# Altium PCB LoRaBoard.PcbDoc (part 2 of 2)
Units mm, origin at the board's own origin, x right, y up, seen from the top; angles counter-clockwise.
Board outline 96 x 92 mm, 2 copper layers (Top Layer, Bottom Layer), stack 1.56 mm thick; 150 components, 127 nets, 535 pads, 612 vias.
Unrouted connection lines stored in the file: 48.
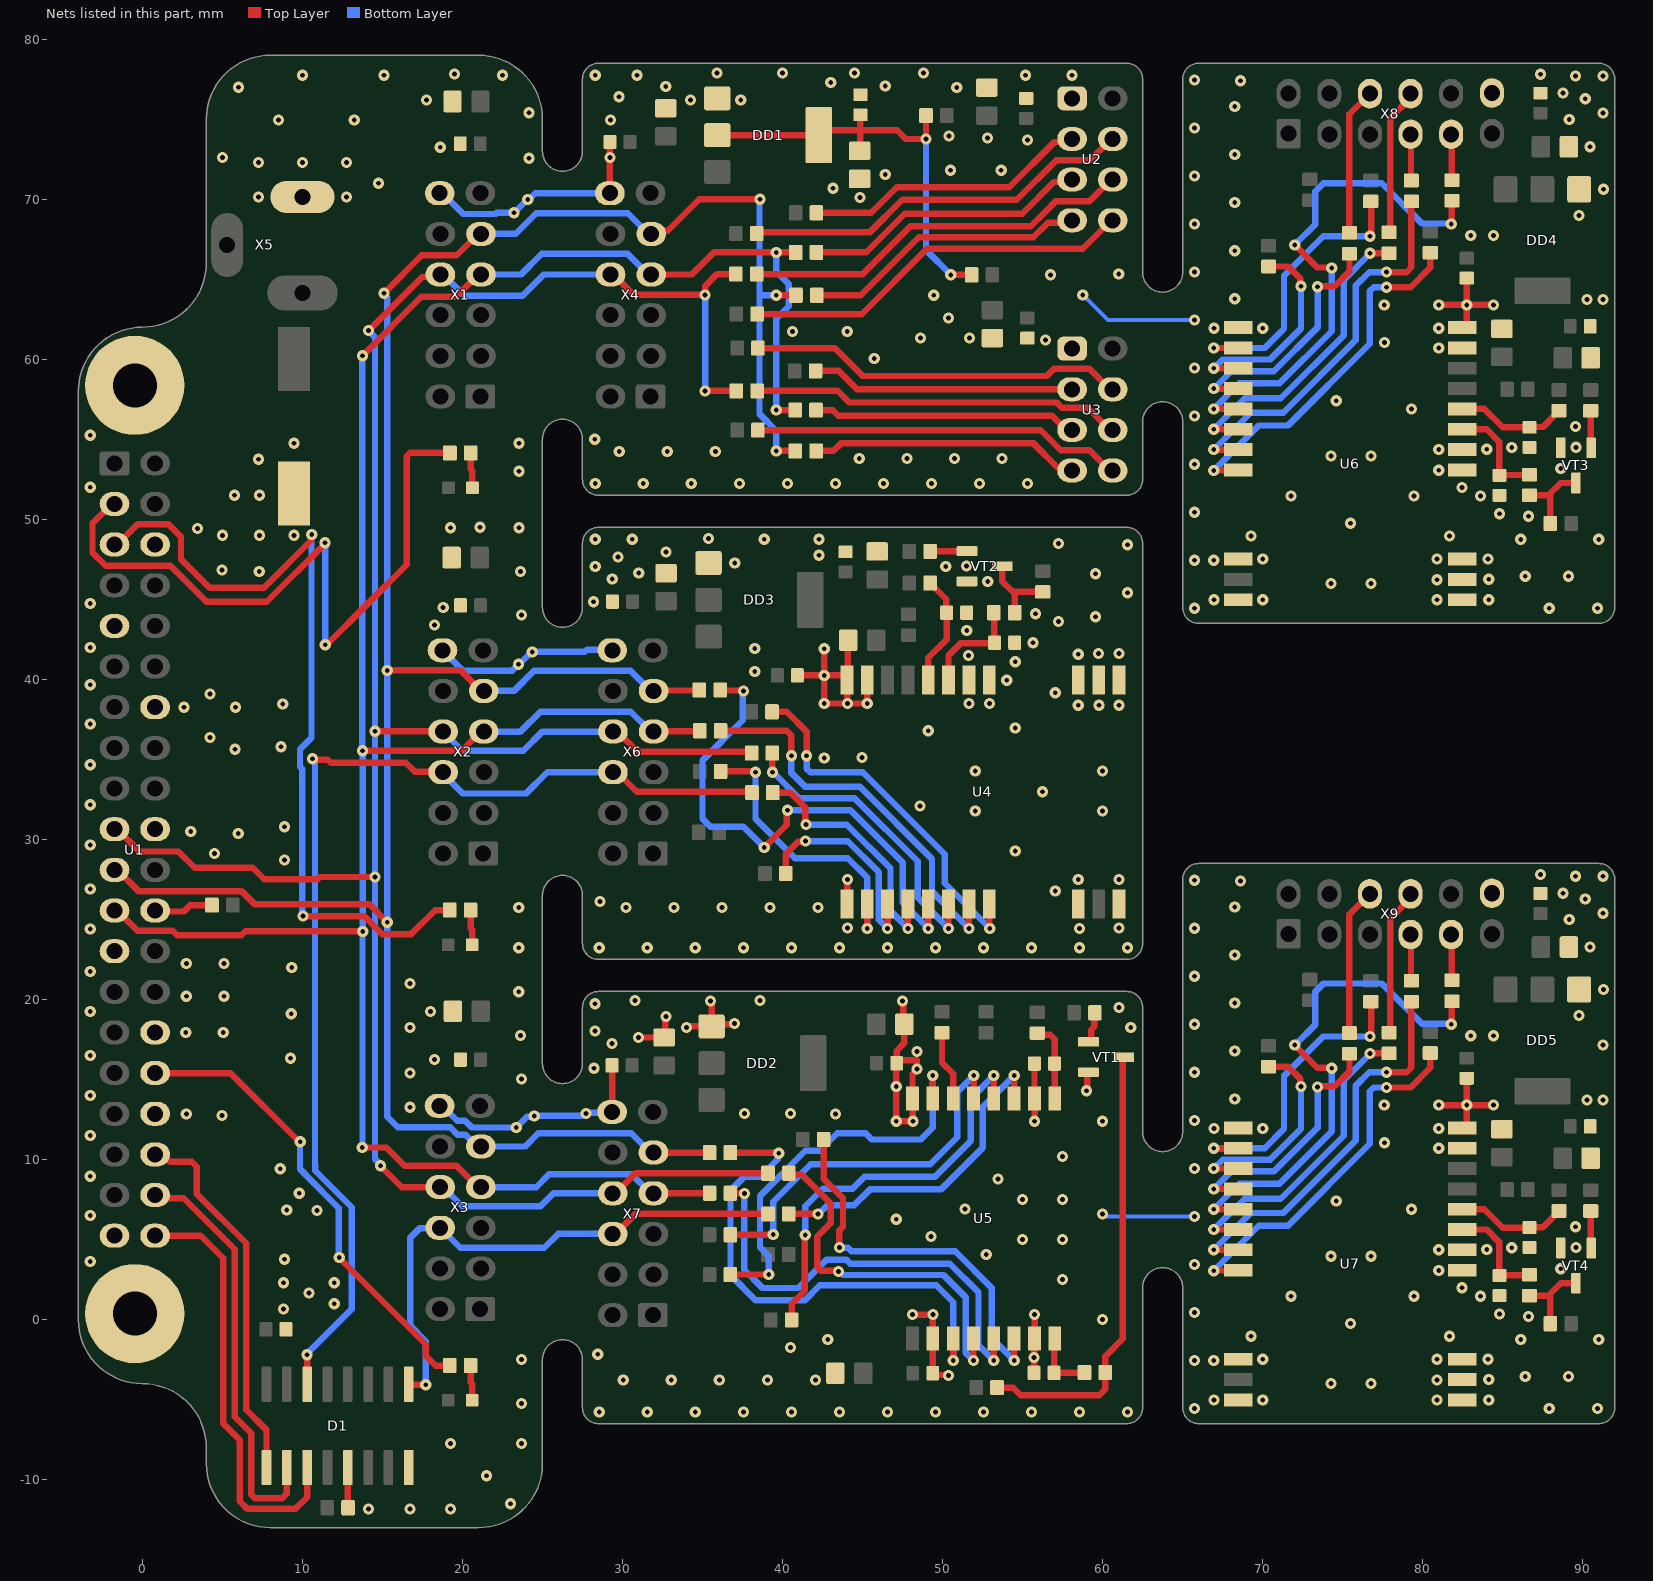
[diagram p2: the nets of this part, all layers, seen from the top]

## Via types
v1: diameter 0.7, hole 0.3, Top Layer to Bottom Layer, tented both sides, 612 vias

## Nets (pads, with @x,y where several pads share a name; then routed paths per layer and width w, separated by ;. In a path a pad name is that pad's centre, name@x,y a point inside that pad or via, vN(x,y) a via of type N, cw(c..) or ccw(c..) an arc to the next point about the centre after c; other vN are vias at no path point) (continued)
GND: C1.1 C2.1 C3.1 C4.1 C5.1 C6.1 C7.1 C8.1 C9.1 C10.1 C11.1 C12.1 C13.2 C14.1 C15.1 C16.1 C17.1 C18.2 C19.1 C20.2 C21.1 C22.1 C23.1 C24.1 C25.1 C26.1 C27.1 C28.1 C29.1 C30.1 C31.1 C32.1 C33.1 C34.1 C35.2 C36.2 C37.1 C38.1 C39.1 C40.1 C41.1 C42.1 C43.1 C44.1 C45.1 C46.1 C47.1 C48.1 D1.5 D1.8 DD1.1 DD2.1 DD3.1 DD4.1 DD5.1 R19.2 U1.6 U1.9 U1.14 U1.20 U1.25 U1.30 U1.34 U1.39 U1.S1 U1.S2 U2.1 U3.1 U4.1 U4.2 U4.3 U4.4 U4.5 U4.10 U4.11 U4.12 U4.20 U4.22 U5.2 U5.7 U5.10 U5.16 U6.1 U6.2 U6.3 U6.4 U6.5 U6.10 U6.11 U6.12 U6.20 U6.22 U7.1 U7.2 U7.3 U7.4 U7.5 U7.10 U7.11 U7.12 U7.20 U7.22 VT1.2 VT2.2 VT3.2 VT4.2 X1.12 X2.12 X3.12 X4.12 X5.2 X6.12 X7.12 X8.12 X9.12 | length 122.6
  Top Layer w0.4: R19.2@12.8,-11.6 12.844,-11.556 12.844,-9.249 D1.5@12.837,-9.242 ; X4.12@29.213,70.376 v1(29.213,72.6) C8.1@29.213,73.576 ; X7.12@29.351,12.973 C23.1@29.351,15.883 ; v1(31,17.631) 31.003,17.628 32.597,17.628 C24.1@32.6,17.625 32.673,17.698 32.673,18.9 v1(32.711,18.938) ; v1(34,18.25) 34.054,18.25 34.127,18.323 DD2.1@35.568,18.323 ; v1(35.5,19.908) 35.5,19.854 35.568,19.786 DD2.1@35.568,18.323 ; v1(37,18.5) 36.962,18.462 35.707,18.462 DD2.1@35.568,18.323 ; C31.1@40.927,40.25 v1(42.601,40.25) ; v1(42.601,41.912) v1(42.601,40.25) ; U4.12@44.022,25.969 44.044,25.991 44.044,27.478 v1(44.066,27.5) ; C28.1@44.102,42.444 44.062,42.404 44.062,40.009 U4.11@44.022,39.969 ; U4.10@45.292,39.969 v1(45.292,38.494) v1(44.066,38.494) ; v1(47.5,19.908) 47.538,19.87 47.538,18.525 C22.1@47.605,18.458 47.605,17.283 47.13,16.807 C25.1@47.13,16.053 ; v1(48.118,0.311) v1(49.394,0.311) 49.393,0.31 49.393,-1.175 U5.2@49.391,-1.177 C26.1@49.391,-3.352 49.501,-3.462 50.334,-3.462 v1(50.372,-3.5) ; C17.1@55.717,-3.326 v1(55.717,-2.362) 55.729,-2.35 55.729,-1.189 U5.7@55.741,-1.177 55.745,-1.172 55.745,0.307 v1(55.75,0.311) ; C18.2@55.741,15.998 U5.10@55.741,13.823 55.745,13.819 55.745,12.403 v1(55.75,12.398) ; v1(59,14.297) 59.038,14.336 59.038,15.398 59.088,15.448 VT1.2@59.116,15.448 ; v1(80.994,13.4) v1(82.75,13.4) ; v1(80.994,63.399) v1(82.75,63.399) ; U7.11@82.447,11.956 U7.11@82.469,11.978 ; U6.11@82.447,61.956 U6.11@82.469,61.978 ; U7.11@82.75,12.128 v1(82.75,13.4) ; C48.1@82.75,15.073 v1(82.75,13.4) ; U6.11@82.75,62.128 v1(82.75,63.399) ; C43.1@82.75,65.073 v1(82.75,63.399) ; v1(84.411,13.4) v1(82.75,13.4) ; v1(84.411,63.399) v1(82.75,63.399) ; C38.1@84.904,11.938 C38.1@84.944,11.898 ; C39.1@84.904,61.938 C39.1@84.944,61.898 ; v1(42.601,40.25) 43.872,40.25 44.022,40.1 U4.11@44.022,39.969 ; v1(42.601,40.25) v1(42.601,38.494) v1(44.066,38.494) ; U4.11@44.022,39.969 44.044,39.947 44.044,38.516 v1(44.066,38.494) ; C25.1@47.13,16.053 47.28,16.203 48.402,16.203 v1(48.402,15.656) 48.402,15.602 48.118,15.318 48.118,13.827 U5.16@48.121,13.823 48.136,13.808 48.136,12.414 v1(48.152,12.398) v1(47.102,12.398) v1(47.102,14.564) 47.116,14.578 47.116,16.009 C25.1@47.13,16.023 C25.1@47.13,16.053
  Bottom Layer w0.25: v1(58.759,64.021) 60.332,62.448 v1(65.734,62.448) ; v1(60,6.605) 60.122,6.605 60.278,6.448 v1(65.734,6.448)
  Bottom Layer w0.4: X3.12@18.57,13.357 18.745,13.357 19.67,12.432 20.164,12.432 20.596,12 23.365,12 24.033,12.668 24.433,12.668 v1(24.49,12.725) 27.482,12.725 27.686,12.929 29.307,12.929 X7.12@29.351,12.973 ; X1.12@18.58,70.376 18.755,70.376 20.055,69.076 22.077,69.076 22.153,69.151 23.275,69.151 23.275,69.192 24.075,69.993 24.163,69.993 24.547,70.376 X4.12@29.213,70.376 ; X2.12@18.755,41.819 18.755,41.808 20.011,40.552 23.12,40.552 v1(23.51,40.942) 23.546,40.942 24.323,41.719 27.642,41.719 27.784,41.861 27.865,41.861 27.886,41.84 29.341,41.84 X6.12@29.362,41.819
  other v1: 14.132,-11.828 16.728,-11.828 19.25,-11.828 23,-11.5 21.5,-9.75 19.25,-7.75 23.692,-7.75 28.552,-5.766 31.552,-5.766 34.552,-5.766 37.552,-5.766 40.552,-5.766 43.552,-5.766 46.552,-5.766 49.552,-5.766 52.552,-5.766 55.552,-5.766 58.552,-5.766 61.552,-5.766 65.734,-5.552 87.91,-5.552 90.91,-5.552 23.692,-5.25 66.964,-5.022 70,-5.022 80.882,-5.022 84.118,-5.022 74.272,-4 76.772,-4 30.052,-3.766 33.052,-3.766 36.052,-3.766 39.052,-3.766 42.052,-3.766 80.882,-3.777 84.118,-3.744 86.41,-3.552 89.1,-3.552 65.734,-2.552 66.944,-2.552 23.692,-2.5 70,-2.482 80.882,-2.482 84.076,-2.482 28.46,-2.161 40.491,-1.744 42.823,-1.25 86.125,-1.25 91,-1.25 69.272,-1.038 81.67,-1.038 75.484,-0.239 60,0 86.601,0.198 84.794,0.354 65.734,0.448 8.818,0.657 11.989,0.996 71.772,1.462 79.463,1.462 83.603,1.462 10.406,1.657 82.447,1.99 8.818,2.3 11.989,2.3 57.5,2.5 80.994,3.068 88.619,3.178 65.734,3.448 -3.25,3.626 8.889,3.765 74.272,3.962 76.772,3.962 52.728,4.063 80.994,4.358 83.994,4.382 85.559,4.486 89.579,4.498 55,5 57.5,5 49.281,5.2 89.55,5.806 47.105,6.268 -3.25,6.5 10.921,6.822 9.027,6.854 79.289,6.893 51.398,6.919 74.599,7.413 55,7.5 57.5,7.5 9.801,7.893 53.468,8.789 -3.25,8.953 8.623,9.427 65.734,9.448 57.5,10.191 80.994,10.708 77.618,11.044 -3.25,11.5 66.964,11.934 70,11.934 80.994,11.934 23.357,12 60,12.398 65.734,12.448 4.986,12.76 2.75,12.851 43.3,12.851 37.616,12.873 40.497,12.873 27.723,12.885 16.728,13.273 77.59,13.4 90.262,13.729 91.257,13.729 68.25,13.787 -3.25,14 23.692,15.03 16.728,15.4 65.734,15.448 28.214,15.7 18.25,16.25 9.262,16.335 -3.25,16.5 48.402,16.75 68.25,16.787 91.257,17.148 29.351,17.25 23.627,17.742 83,17.741 84.424,17.741 2.706,17.94 5.054,17.94 28.291,18.031 16.728,18.25 61.75,18.25 65.734,18.448 89.769,18.992 9.31,19.104 -3.25,19.25 18,19.25 61.022,19.5 28.291,19.738 68.25,19.787 30.778,19.937 38.59,19.937 2.75,20.207 5.1,20.207 23.522,20.48 91.294,20.623 16.728,21 65.734,21.448 -3.25,21.75 9.332,22.007 2.75,22.25 5.1,22.25 68.25,22.787 23.522,23.234 28.552,23.234 31.552,23.234 34.552,23.234 37.552,23.234 40.552,23.234 43.552,23.234 46.552,23.234 49.552,23.234 52.552,23.234 55.552,23.234 58.552,23.234 61.552,23.234 90.457,23.278 -3.25,24.412 58.552,24.444 65.734,24.448 44.066,24.464 61.022,24.464 89.15,24.989 91.257,25.387 23.522,25.75 30.213,25.75 33.213,25.75 36.213,25.75 39.213,25.75 42.213,25.75 68.25,25.787 28.591,26.119 90.155,26.282 88.769,26.638 57.039,26.772 -3.25,26.912 68.619,27.409 65.734,27.448 58.482,27.5 61.022,27.5 89.55,27.698 91.257,27.698 87.349,27.806 8.889,28.711 4.517,29.119 54.539,29.272 -3.25,29.662 5.995,30.378 3.019,30.49 8.889,30.79 52.039,31.772 60,31.772 48.587,32.099 -3.25,32.162 56.239,32.984 52.039,34.272 60,34.272 -3.25,34.662 42.601,35.091 44.956,35.119 5.798,35.634 8.658,35.79 4.233,36.362 49.107,36.789 54.539,36.963 -3.25,37.209 2.601,38.26 5.817,38.26 58.482,38.382 59.777,38.382 61.022,38.382 8.779,38.456 51.642,38.494 52.932,38.494 4.233,39.095 57.039,39.17 -3.25,39.662 54.01,39.947 38.259,40.5 54.539,41.103 51.618,41.495 58.482,41.576 59.745,41.618 61.022,41.618 24.359,41.719 38.259,41.924 -3.25,42 55.646,42.294 51.514,43.059 18.25,43.396 57.25,43.625 59.552,43.91 23.698,44.03 55.802,44.102 65.734,44.448 87.91,44.448 90.91,44.448 18.795,44.5 -3.25,44.75 28.194,44.85 66.964,44.978 70,44.978 80.882,44.978 84.118,44.978 61.552,45.41 74.272,46 76.772,46 52.823,46.119 80.882,46.223 84.118,46.255 29.362,46.269 86.41,46.448 89.1,46.448 59.552,46.6 31.011,46.65 7.3,46.734 23.633,46.742 4.975,46.844 28.302,47.05 50.194,47.05 51.502,47.079 37.008,47.269 65.734,47.448 66.944,47.448 70,47.518 80.882,47.518 84.076,47.518 29.718,47.656 42.271,47.763 32.722,47.957 61.552,48.41 57.25,48.5 28.302,48.757 30.613,48.757 38.852,48.757 42.271,48.757 86.125,48.75 91,48.75 35.377,48.794 69.272,48.961 81.67,48.961 5,49 7.318,49 9.483,49 3.438,49.433 19.25,49.48 23.528,49.48 21.094,49.5 75.484,49.761 86.601,50.198 84.794,50.354 65.734,50.448 71.772,51.461 79.463,51.461 83.603,51.461 5.75,51.5 7.318,51.5 82.447,51.99 -3.25,52 28.302,52.234 31.302,52.234 34.302,52.234 37.302,52.234 40.302,52.234 43.302,52.234 46.302,52.234 49.302,52.234 52.302,52.234 55.302,52.234 23.528,53 80.994,53.068 88.619,53.177 65.734,53.448 7.25,53.75 44.797,53.81 47.767,53.81 50.745,53.81 53.706,53.81 74.272,53.961 76.772,53.961 29.802,54.234 32.802,54.234 35.802,54.234 80.994,54.358 83.994,54.382 85.559,54.486 89.579,54.498 9.483,54.75 23.528,54.75 28.269,55 -3.25,55.25 89.55,55.806 65.734,56.448 79.289,56.893 74.599,57.413 65.734,59.448 45.725,60.045 80.994,60.708 77.618,61.044 56.423,61.201 48.623,61.326 51.677,61.327 40.613,61.743 44.044,61.743 66.964,61.934 70,61.934 80.994,61.934 50.372,62.577 77.59,63.399 90.262,63.729 91.257,63.729 68.25,63.787 49.442,64.001 56.735,65.276 61,65.326 65.734,65.448 68.25,66.787 83,67.741 84.424,67.741 65.734,68.448 89.769,68.992 23.227,69.151 68.25,69.787 24.082,69.993 44.843,70.114 7.25,70.143 12.75,70.143 91.294,70.623 43.145,70.689 14.75,71 65.734,71.448 46.411,71.551 50.488,71.816 53.658,71.816 7.25,72.302 10.004,72.302 12.75,72.302 24.163,72.566 5,72.6 68.25,72.787 18.62,73.25 90.457,73.278 55.302,73.7 52.802,73.834 50.406,73.946 65.734,74.448 8.5,74.95 13.241,74.95 29.253,74.95 89.15,74.989 91.257,75.387 24.163,75.408 68.25,75.787 17.75,76.2 34.25,76.2 37.388,76.2 90.155,76.282 29.778,76.4 88.769,76.638 50.88,76.976 6,77 32.7,77.05 46.411,77.082 43.014,77.3 68.619,77.409 65.734,77.448 89.55,77.698 91.257,77.698 10.004,77.75 15.097,77.75 22.5,77.75 28.302,77.75 30.9,77.75 55.185,77.75 58.091,77.75 87.349,77.806 19.5,77.828 35.909,77.895 40,77.895 44.498,77.895 48.813,77.895
LED_1: R7.1 U1.3 | length 44.2
  Top Layer w0.4: U1.3@-1.74,50.96 -1.915,50.96 -3.115,49.76 -3.115,47.923 -2.292,47.1 1.756,47.1 4.006,44.85 7.775,44.85 11.41,48.484 v1(11.41,48.544) ; v1(11.429,42.169) 11.51,42.169 11.66,42.319 11.678,42.319 13.975,44.616 16.515,47.156 16.515,53.924 16.749,54.158 19.205,54.158 R7.1@19.22,54.143
  Bottom Layer w0.4: v1(11.41,48.544) 11.429,48.525 v1(11.429,42.169)
LED_2: R10.1 U1.5 | length 51.4
  Top Layer w0.4: U1.5@-1.74,48.42 -1.565,48.42 -0.281,49.704 1.614,49.704 2.413,48.904 2.413,47.505 4.204,45.715 7.584,45.715 10.532,48.662 10.532,48.987 v1(10.589,49.044) ; v1(10.031,25.212) 13.866,25.212 14.556,24.523 14.556,24.516 14.995,24.077 16.791,24.077 18.3,25.586 R10.1@19.208,25.586
  Bottom Layer w0.4: v1(10.031,25.212) 9.988,25.255 9.988,34.399 9.848,34.539 9.848,35.634 10.568,36.353 10.568,49.023 v1(10.589,49.044)
LED_3: R15.1 U1.32 | length 29.2
  Top Layer w0.4: U1.32@0.8,15.4 5.513,15.4 9.801,11.112 v1(9.867,11.112) ; v1(12.301,3.874) 17.713,-1.538 17.713,-2.262 18.328,-2.877 R15.1@19.21,-2.877
  Bottom Layer w0.4: v1(9.867,11.112) 9.848,11.093 9.848,9.41 10.195,9.064 10.195,9.044 12.277,6.962 12.277,3.899 v1(12.301,3.874)
MISO: R2.2 R9.2 R21.1 R32.2 U1.21 X1.9 X2.9 X3.9 X4.9 X6.9 X7.9 | length 159.7
  Top Layer w0.4: U1.21@-1.74,28.1 -1.565,28.1 -0.24,26.775 6.191,26.775 7.003,25.962 14.17,25.962 v1(15.306,24.827) ; v1(15.097,64.131) 17.462,66.496 19.645,66.496 20.985,67.836 X1.9@21.16,67.836 ; v1(15.306,40.563) 19.876,40.563 21.16,39.279 X2.9@21.335,39.279 ; X3.9@20.975,10.817 X3.9@21.15,10.817 ; X4.9@31.793,67.836 31.984,68.028 32.828,68.028 34.8,70 v1(38.6,70) ; X7.9@31.931,10.433 R21.1@35.441,10.433 ; X6.9@31.942,39.279 31.967,39.304 34.779,39.304 R32.2@34.804,39.329 ; v1(39.613,54.276) R9.2@40.798,54.276 ; v1(39.613,64.001) R2.2@40.838,64.001
  Bottom Layer w0.4: v1(15.097,64.131) 15.097,64.049 15.306,63.84 15.306,40.644 v1@15.444,40.505 ; v1(15.306,24.827) v1(15.306,40.563) ; v1@15.377,24.759 15.306,24.688 15.306,12.668 15.953,12.021 19.232,12.021 19.696,11.557 20.19,11.557 20.93,10.817 23.917,10.817 24.733,11.633 30.556,11.633 31.756,10.433 X7.9@31.931,10.433 ; X1.9@21.16,67.836 23.331,67.836 24.622,69.127 30.327,69.127 31.618,67.836 X4.9@31.793,67.836 ; X2.9@21.335,39.279 23.222,39.279 24.495,40.552 30.494,40.552 31.767,39.279 X6.9@31.942,39.279 ; v1(38.6,70) 38.563,69.963 38.563,64.001 ; v1(39.613,54.276) 39.613,55.531 38.563,56.581 38.563,64.001 ; v1(39.613,64.001) 38.563,64.001
MISO_5: R55.2 X9.9 | length 2.9
  Top Layer w0.4: X9.9@81.779,24.058 81.804,24.033 81.804,21.222 R55.2@81.829,21.197
MISO_6: R54.2 X8.9 | length 2.9
  Top Layer w0.4: X8.9@81.779,74.058 81.804,74.033 81.804,71.221 R54.2@81.829,71.196
MOSI: R4.2 R12.2 R23.1 R31.2 U1.19 X1.8 X2.8 X3.8 X4.8 X6.8 X7.8 | length 156.2
  Top Layer w0.4: U1.19@-1.74,30.64 -1.565,30.64 -0.175,29.25 2.252,29.25 3.269,28.233 6.902,28.233 7.614,27.521 10.968,27.521 11.104,27.657 v1(14.539,27.657) ; v1(14.139,61.796) 17.487,65.144 18.468,65.144 X1.8@18.62,65.296 ; v1(14.539,36.764) 14.552,36.752 18.782,36.752 X2.8@18.795,36.739 ; v1(14.871,9.616) 16.21,8.277 X3.8@18.61,8.277 ; X4.8@29.253,65.296 29.438,65.296 30.713,64.021 v1(35.163,64.021) 35.163,64.58 35.909,65.326 R4.2@37.088,65.326 ; X7.8@29.391,7.893 29.566,7.893 30.816,9.143 R23.1@39.091,9.143 R23.1@39.141,9.143 ; X6.8@29.402,36.739 29.677,36.739 30.947,35.469 37.998,35.469 R31.2@38.068,35.399 ; v1(35.163,58.026) R12.2@37.113,58.026
  Bottom Layer w0.4: v1(14.139,61.796) 14.139,61.769 14.539,61.369 v1(14.539,36.764) 14.539,10.029 14.871,9.697 v1(14.871,9.616) ; X3.8@18.61,8.277 18.785,8.277 19.985,7.077 24.877,7.077 25.693,7.893 X7.8@29.391,7.893 ; X1.8@18.62,65.296 18.795,65.296 20.124,63.967 23.755,63.967 25.084,65.296 X4.8@29.253,65.296 ; X2.8@18.795,36.739 18.795,36.728 19.983,35.539 23.8,35.539 25,36.739 X6.8@29.402,36.739 ; v1(35.163,58.026) v1(35.163,64.021)
MOSI_5: R53.2 X9.8 | length 9.2
  Top Layer w0.4: R53.2@77.899,17.932 77.969,18.002 77.969,25.053 79.239,26.323 X9.8@79.239,26.598
MOSI_6: R52.2 X8.8 | length 9.2
  Top Layer w0.4: R52.2@77.899,67.932 77.969,68.002 77.969,75.053 79.239,76.323 X8.8@79.239,76.598
N\R\S\T\_\3\: D1.14 R33.2 X2.6 X6.6 | length 70.7
  Top Layer w0.4: D1.14@10.297,-4.042 v1(10.297,-2.2) ; v1(10.639,35.042) 10.692,34.989 11.589,34.989 11.789,34.789 16.465,34.789 17.032,34.223 18.771,34.223 X2.6@18.795,34.199 ; X6.6@29.402,34.199 29.677,34.199 30.892,32.984 38.033,32.984 R33.2@38.093,32.924
  Bottom Layer w0.4: v1(10.297,-2.2) 10.297,-2.123 13.077,0.657 13.077,7.011 10.795,9.292 10.795,9.666 10.789,9.672 10.789,34.811 10.639,34.961 v1(10.639,35.042) ; X2.6@18.795,34.199 18.795,34.085 20.011,32.869 23.975,32.869 25.305,34.199 X6.6@29.402,34.199
N\R\S\T\_\4\: D1.9 R30.2 X3.6 X7.6 | length 34.7
  Top Layer w0.4: D1.9@16.647,-4.042 16.681,-4.076 v1(17.713,-4.076) ; X7.6@29.391,5.353 29.566,5.353 30.816,6.603 R30.2@39.091,6.603 R30.2@39.116,6.603
  Bottom Layer w0.4: v1(17.713,-4.076) 17.713,-1.351 16.728,-0.366 16.728,5.103 17.344,5.719 18.592,5.719 X3.6@18.61,5.737 19.863,4.484 25.109,4.484 25.978,5.353 X7.6@29.391,5.353
N\R\S\T\_\5\: R57.2 X9.6 | length 9.2
  Top Layer w0.4: R57.2@75.424,17.907 75.413,17.918 75.413,25.312 X9.6@76.699,26.598
N\R\S\T\_\6\: R56.2 X8.6 | length 9.2
  Top Layer w0.4: R56.2@75.424,67.907 75.413,67.918 75.413,75.312 X8.6@76.699,76.598
NetC6_2: C6.2 C7.2 DD1.2 DD1.4 R16.1 R17.1 | length 27.5
  Top Layer w0.4: DD1.2@35.921,74.001 DD1.4@42.271,74.001 42.571,74.301 44.843,74.301 ; C6.2@44.818,73.026 44.843,73.051 44.843,74.301 ; C7.2@44.868,75.276 44.843,75.251 44.843,74.301 ; R16.1@48.963,75.226 v1(48.963,73.765) 47.704,73.765 47.168,74.301 44.843,74.301 ; v1(50.515,65.276) R17.1@51.813,65.276
  Bottom Layer w0.4: v1(48.963,73.765) 48.963,66.828 v1(50.515,65.276)
NetR1_1: R1.1 U2.8 | length 24.7
  Top Layer w0.4: R1.1@38.413,62.826 38.422,62.817 44.94,62.817 49.024,66.901 58.759,66.901 60.544,68.685 U2.8@60.631,68.685
NetR2_1: R2.1 U2.7 | length 17.9
  Top Layer w0.4: R2.1@42.138,64.001 44.884,64.001 48.501,67.618 55.669,67.618 56.588,68.537 57.943,68.537 U2.7@58.091,68.685
NetR3_2: R3.2 U2.3 | length 17.9
  Top Layer w0.4: R3.2@42.118,69.151 45.545,69.151 47.14,70.746 54.163,70.746 56.995,73.578 57.903,73.578 U2.3@58.091,73.765
NetR4_1: R4.1 U2.6 | length 24.7
  Top Layer w0.4: R4.1@38.388,65.326 45.006,65.326 47.995,68.315 55.518,68.315 56.426,69.223 57.088,69.885 59.204,69.885 60.544,71.225 U2.6@60.631,71.225
NetR5_2: R5.2 U2.4 | length 24.7
  Top Layer w0.4: R5.2@38.388,67.851 38.463,67.926 45.437,67.926 47.474,69.963 54.637,69.963 57.1,72.425 59.204,72.425 60.544,73.765 U2.4@60.631,73.765
NetR6_1: R6.1 U2.5 | length 17.9
  Top Layer w0.4: R6.1@42.118,66.681 45.222,66.681 47.641,69.1 54.975,69.1 56.954,71.078 57.944,71.078 U2.5@58.091,71.225
NetR7_2: R7.2 VD1.2 | length 2.2
  Top Layer w0.4: R7.2@20.52,54.143 20.52,53.13 20.62,53.03 VD1.2@20.62,51.978
NetR8_1: R8.1 U3.8 | length 23.2
  Top Layer w0.4: R8.1@38.463,55.576 56.135,55.576 57.385,54.326 59.174,54.326 60.454,53.046 U3.8@60.629,53.046
NetR9_1: R9.1 U3.7 | length 16.9
  Top Layer w0.4: R9.1@42.098,54.276 43.186,54.276 43.653,54.742 55.685,54.742 57.171,53.256 57.878,53.256 U3.7@58.089,53.046
NetR10_2: R10.2 VD2.2 | length 2.3
  Top Layer w0.4: VD2.2@20.558,23.471 VD2.2@20.608,23.421 20.608,24.344 20.508,24.444 R10.2@20.508,25.586 R10.2@20.558,25.536
NetR11_2: R11.2 U3.3 | length 16.5
  Top Layer w0.4: R11.2@42.063,59.276 43.5,59.276 44.65,58.126 U3.3@58.089,58.126
NetR12_1: R12.1 U3.6 | length 23.2
  Top Layer w0.4: R12.1@38.413,58.026 43.444,58.026 44.169,57.301 57.112,57.301 57.437,56.976 59.064,56.976 60.454,55.586 U3.6@60.629,55.586
NetR13_2: R13.2 U3.4 | length 23.6
  Top Layer w0.4: R13.2@38.463,60.701 43.263,60.701 45.008,58.956 56.51,58.956 56.956,59.401 59.179,59.401 60.454,58.126 U3.4@60.629,58.126
NetR14_1: R14.1 U3.5 | length 16.5
  Top Layer w0.4: R14.1@42.093,56.826 43.131,56.826 43.475,56.482 56.834,56.482 57.731,55.586 U3.5@58.089,55.586
NetR15_2: R15.2 VD3.2 | length 2.2
  Top Layer w0.4: R15.2@20.51,-2.877 20.51,-3.942 20.61,-4.042 VD3.2@20.61,-5.041
NetR20_1: R20.1 U5.15 | length 25.1
  Top Layer w0.4: R20.1@36.741,2.813 36.746,2.818 39.136,2.818 v1(39.141,2.813) ; U5.15@49.391,13.823 v1(49.391,15.248)
  Bottom Layer w0.4: v1(39.141,2.813) 39.141,3.973 38.59,4.523 38.59,7.72 41.413,10.543 42.321,10.543 43.412,11.633 45.184,11.633 45.567,11.25 48.641,11.25 49.391,12 v1(49.391,15.248)
NetR21_2: R21.2 U5.3 | length 32.9
  Top Layer w0.4: R21.2@36.741,10.433 39.718,10.433 v1(39.763,10.389) ; U5.3@50.661,-1.177 50.663,-1.179 50.663,-2.549 v1(50.666,-2.552)
  Bottom Layer w0.4: v1(39.763,10.389) 39.705,10.331 39.705,10.027 38.592,8.914 37.591,8.914 36.746,8.069 36.746,2.785 38.332,1.199 41.382,1.199 42.332,2.149 49.601,2.149 50.666,1.084 v1(50.666,-2.552)
NetR22_1: R22.1 U5.14 | length 4.4
  Top Layer w0.4: R22.1@49.966,17.923 49.966,16.048 50.661,15.353 U5.14@50.661,13.823
NetR23_2: R23.2 U5.4 | length 23.3
  Top Layer w0.4: R23.2@40.391,9.143 40.481,9.053 41.211,9.053 43.014,7.251 43.014,6.039 42.164,5.189 42.164,3.292 42.398,3.057 43.431,3.057 v1(43.488,3) ; v1(51.931,-2.552) U5.4@51.931,-1.177
  Bottom Layer w0.4: v1(43.488,3) 43.57,3 43.785,2.785 50.059,2.785 51.434,1.409 51.434,-2.055 v1(51.931,-2.552)
NetR24_1: R24.1 U5.13 | length 23.6
  Top Layer w0.4: R24.1@36.741,5.298 36.755,5.312 39.402,5.312 v1(39.416,5.326) ; U5.13@51.931,13.823 51.936,13.828 51.936,15.243 v1(51.941,15.248)
  Bottom Layer w0.4: v1(39.416,5.326) 39.416,7.362 41.757,9.703 49.225,9.703 50.911,11.388 50.911,14.218 v1(51.941,15.248)
NetR25_1: R25.1 U4.19 | length 23.2
  Top Layer w0.4: R25.1@39.343,37.974 40.268,37.974 41.5,36.742 v1(41.5,35.228) ; U4.19@52.912,25.969 52.932,25.949 52.932,24.464 v1(52.952,24.444)
  Bottom Layer w0.4: v1(41.5,35.228) 41.5,34.432 41.734,34.198 45.019,34.198 50.135,29.082 50.135,27.262 v1(52.952,24.444)
NetR26_2: R26.2 U5.5 | length 28.4
  Top Layer w0.4: R26.2@36.741,7.898 36.753,7.886 37.603,7.886 v1(37.616,7.873) ; v1(53.201,-2.552) U5.5@53.201,-1.177
  Bottom Layer w0.4: v1(37.616,7.873) 37.616,3.107 38.75,1.973 40.977,1.973 42.753,3.75 43.981,3.75 44.231,3.5 50.455,3.5 52.243,1.712 52.243,-1.594 v1(53.201,-2.552)
NetR27_1: R27.1 U5.12 | length 25.6
  Top Layer w0.4: R27.1@40.566,-0.018 40.566,0.983 41.388,1.805 41.388,5.263 v1(41.414,5.289) ; U5.12@53.201,13.823 v1(53.201,15.248)
  Bottom Layer w0.4: v1(41.414,5.289) 41.414,7.087 42.511,8.184 44.369,8.184 45.099,8.914 49.501,8.914 51.771,11.184 51.771,13.818 v1(53.201,15.248)
NetR28_1: R28.1 U4.18 | length 24.7
  Top Layer w0.4: R28.1@36.129,36.789 40.259,36.789 40.552,36.496 v1(40.552,35.231) ; v1(51.642,24.444) U4.18@51.642,25.969
  Bottom Layer w0.4: v1(40.552,35.231) 40.554,35.228 40.554,34.15 41.401,33.303 44.816,33.303 49.338,28.781 49.338,26.748 v1(51.642,24.444)
NetR29_2: R29.2 U5.6 | length 24.4
  Top Layer w0.4: R29.2@42.568,11.248 42.568,8.786 43.775,7.58 43.775,5.81 43.552,5.587 v1(43.552,4.5) ; v1(54.471,-2.552) U5.6@54.471,-1.177
  Bottom Layer w0.4: v1(43.552,4.5) 43.56,4.492 44.087,4.492 44.305,4.275 50.785,4.275 53.06,1.999 53.06,-1.141 v1(54.471,-2.552)
NetR30_1: R30.1 U5.11 | length 20.6
  Top Layer w0.4: R30.1@40.391,6.603 v1@42.213,6.604 ; U5.11@54.471,13.823 v1(54.471,15.248)
  Bottom Layer w0.4: v1(42.214,6.605) 42.268,6.605 42.819,7.156 44.485,7.156 45.462,8.133 49.897,8.133 52.52,10.756 52.52,13.298 v1(54.471,15.248)
NetR31_1: R31.1 U4.17 | length 19.1
  Top Layer w0.4: v1@39.369,34.197 R31.1@39.369,35.398 ; v1(50.372,24.444) U4.17@50.372,25.969
  Bottom Layer w0.4: v1(39.37,34.196) 39.412,34.196 41.046,32.562 44.512,32.562 48.442,28.633 48.442,26.375 v1(50.372,24.444)
NetR32_1: R32.1 U4.16 | length 32.9
  Top Layer w0.4: R32.1@36.104,39.329 36.129,39.304 37.527,39.304 v1(37.552,39.279) ; v1(38.852,29.5) 40.264,30.912 40.264,31.781 v1(40.302,31.819) ; v1(49.102,24.444) U4.16@49.102,25.969
  Bottom Layer w0.4: v1(37.552,39.279) 37.517,39.245 37.517,37.452 35,34.935 35,31.294 35.5,30.794 37.558,30.794 v1(38.852,29.5) ; v1(40.302,31.819) 44.243,31.819 47.507,28.555 47.507,26.039 v1(49.102,24.444)